# Altium PCB Copy of cam_5nd_v1.3.PcbDoc (part 2 of 2)
Units mil, origin at the board's own origin, x right, y up, seen from the top; angles counter-clockwise.
Board outline 3947.04 x 3947.04 mil, 2 copper layers (Top Layer, Bottom Layer); 197 components, 137 nets, 676 pads, 267 vias.
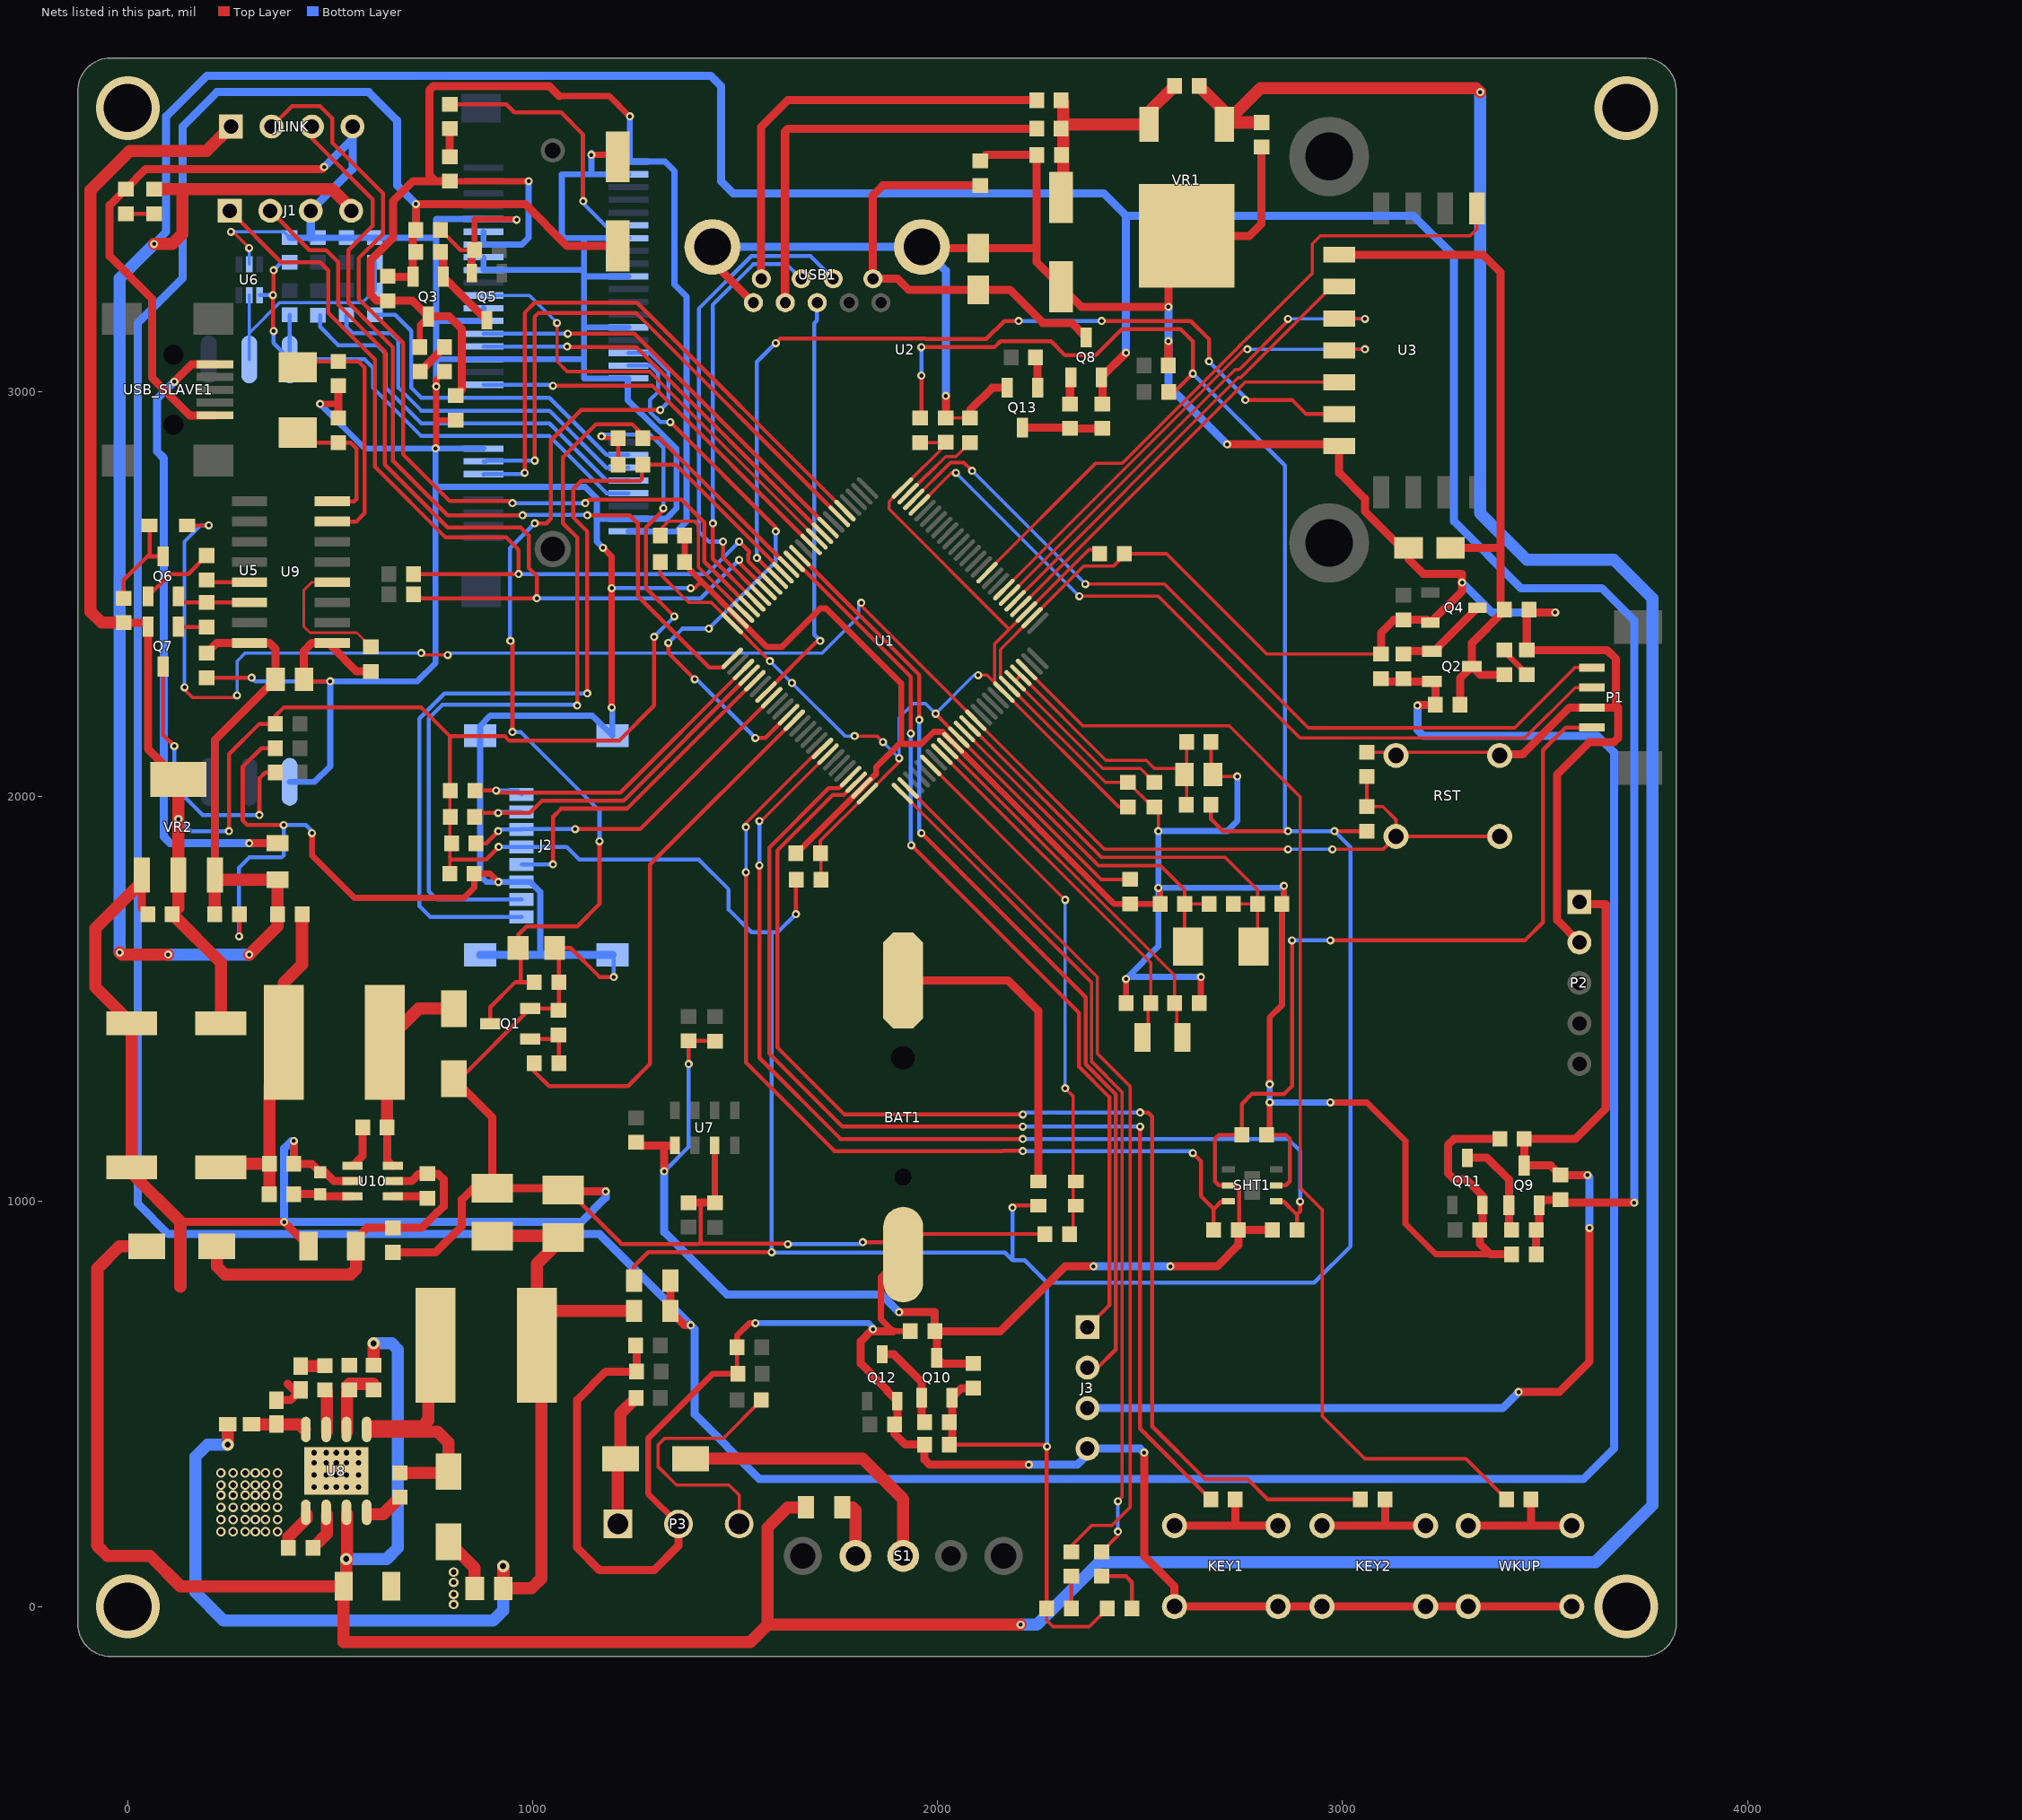
[diagram p2: the nets of this part, all layers, seen from the top]

## Via types
v1: diameter 20, hole 10, Top Layer to Bottom Layer, 199 vias
v2: diameter 23.62, hole 13.78, Top Layer to Bottom Layer, 60 vias
v3: diameter 30, hole 15, Top Layer to Bottom Layer, 4 vias
v4: diameter 157.48, hole 118.11, Top Layer to Bottom Layer, 4 vias

## Nets (pads, with @x,y where several pads share a name; then routed paths per layer and width w, separated by ;. In a path a pad name is that pad's centre, name@x,y a point inside that pad or via, vN(x,y) a via of type N, cw(c..) or ccw(c..) an arc to the next point about the centre after c; other vN are vias at no path point) (continued)
GND: BAT1.2 C1.2 C2.1 C3.1 C4.2 C5.1 C6.1 C7.2 C8.1 C9.1 C10.2 C11.2 C12.2 C13.2 C14.2 C15.2 C16.2 C17.2 C18.1 C19.2 C20.1 C21.2 C22.2 C23.2 C24.2 C25.1 C26.1 C28.1 C29.2 C30.1 C31.1 C32.2 C33.1 C34.1 C36.1 C37.2 C38.1 C40.1 C41.2 C42.2 C43.1 C44.2 C45.1 C46.1 C47.1 C48.1 C49.1 C50.1 C51.2 C54.1 C55.1 C56.1 C57.1 C58.1 C59.1 C60.2 C61.2 C62.2 D5.1 D8.1 D9.K D10.K D11.1 D14.K J1.3 J2.0 J2.6 J3.4 JLINK.4 KEY1.2 KEY2.2 P1.2 P2.2 P3.2 Q1.2 Q4.2 Q5.2 Q11.2 Q12.2 Q13.2 R4.2 R6.2 R21.2 R34.1 R35.1 R42.1 R43.1 R44.1 R47.2 R48.1 R52.2 R68.1 R69.1 R70.1 R72.1 R74.1 RST.1 SHT1.2 U1.10 U1.20 U1.27 U1.74 U1.99 U2.4 U2.9 U2.15 U2.18 U2.21 U2.26 U2.27 U2.29 U2.34 U2.35 U2.37 U2.40 U2.43 U2.50 U3.7 U5.4 U6.2 U7.3 U8.0 U8.5 U9.1 U10.2 USB1.5 USB1.10 USB_SLAVE1.5 VR1.2 VR2.1 WKUP.2 | length 37997
  Top Layer w8: v1(255,3395) 260,3395 v1(300,3355) ; BAT1.2@1915,869.06 1965.94,920 C7.2@2264.69,920 ; C12.2@2020,2935.63 2079.69,2935.63 C3.1@2080,2935.32 ; U1.20@2154.95,2295 2154.95,2300.82 2154.87,2300.9 2154.87,2363.64 U1.27@2233.3,2442.07 2361.23,2570 2435,2570 2460.32,2595.32 C11.2@2460.32,2610 ; U1.20@2177.62,2272.25 2414.24,2035.63 C10.2@2470,2035.63 2530.63,1975 C6.1@2535,1975 2545,1965 v1(2545,1915) ; C11.2@2460.63,2600 2565,2600 2812.8,2352.2 C28.1@3095,2352.2 ; C9.1@2675.32,2135 2675.32,2059.45 C8.1@2679.76,2055 2684.76,2050 v1(2740,2050) ; C4.2@2850.32,1735 C4.2@2855,1739.68 ; C2.1@3060,2110 3379.69,2110 RST.1@3387.8,2101.89
  Top Layer w10: C38.1@195,2294.05 v1(305.94,2294.05) ; v1(275,1655) 275.32,1655.32 C46.1@275.32,1710 ; R4.2@364.68,2120 330,2120 284,2074 284,1941 295,1930 v1(385,1930) ; C40.1@435.04,2290 440.04,2285 v1(500,2285) ; C33.1@771.89,3400 821.89,3350 R44.1@856.26,3350 ; D11.1@805,1303.39 820.57,1303.39 Q1.2@993.78,1476.6 1059.61,1476.6 1064.41,1481.4 C20.1@1064.41,1541.8 1064.41,1616.17 D5.1@1053.78,1626.8 1093.2,1626.8 1165,1555 v1(1200,1555) ; C32.2@1090,1025 1220,895 1410,895 1411,896 ; v1(1390,2515) 1400,2515 1416.89,2531.89 ; 1415,997.52 1415,960.04 1415.29,959.75 1415.29,914.03 1415,913.74 1415,900 1411,896 ; R72.1@1504.69,576.93 C59.1@1504.69,640 ; v1(1630,895) 1629,896 1411,896 ; v1(1815,900) 1884.06,900 BAT1.2@1915,869.06 ; C21.2@2820,1165 2860,1165 2870,1155 2870,1050 2860,1040 SHT1.2@2835.94,1040
  Top Layer w15: v1(455,1910) 455,1855 560,1750 830,1750 855.63,1775.63 C18.1@855.63,1810 895,1810 v1(915.55,1789.45) ; v1(475,2970) 516.5,2970 520,2973.5 ; v1(760,2860) 761.73,2861.73 761.73,2930 ; D10.K@782.52,3050 760,3027.48 761.73,3025.75 v1(761.73,3013.27) 761.73,2930 ; C36.1@810,2930 761.73,2930 ; R44.1@856.26,3350 856.26,3426.26 958.74,3426.26 v1(960,3425) ; v1(1145,3585) 1205.24,3585 C51.2@1210,3580.24 ; v1(1173.42,2615) 1195,2593.42 v1(1195,2515) v1(1195,2220) ; P3.2@1360,203.86 1285,278.86 1285,415 1445.04,575.04 R72.1@1506.57,575.04 ; C5.1@1375.31,2645 C13.2@1375.31,2580 1375.31,2573.46 1416.89,2531.89 U1.74@1506.7,2442.07 1578.77,2370 1615,2370 1710,2465 1725,2465 1910,2280 1910,2135 ; R35.1@1449.37,997.52 1449.61,997.76 U7.3@1449.61,1138.58 ; C59.1@1504.69,640 1504.69,669.69 1535,700 v1(1550,700) ; C14.2@1649.69,1860 1651.23,1860 U1.99@1812.93,2021.7 1848.4,2057.17 1848.4,2073.4 1910,2135 ; v1@1835,680 v1(1840,685) ; BAT1.2@1915,869.06 1860,814.06 1860,710 1890,680 C58.1@1932.48,680 ; v1(2465,1550) 2465.47,1549.53 C16.2@2465.47,1490 ; v1(2545,1775) 2549.37,1770.63 C1.2@2549.37,1735 C15.2@2475,1735 2436.48,1735 U1.10@2038.43,2133.06 2011.48,2160 1990,2160 1960,2130 1915,2130 1910,2135 ; C17.2@2646.1,1490 2650,1493.9 v1(2650,1555) ; C21.2@2820,1165 v1(2820,1245) ; v1(2820,1290) 2820,1455 2850.32,1485.32 C4.2@2850.32,1735 ; C4.2@2855,1739.68 v1(2855,1780) ; v1(2970,1245) 3060,1245 3155,1150 3155,945 3230,870 3365,870
  Top Layer w20: C42.2@9.76,1070.24 C42.2@9.76,1085 ; VR2.1@34.45,1789.45 34.45,1724.92 C45.1@49.37,1710 ; 130,950 v1(386.34,950) C49.1@446.34,890 ; USB_SLAVE1.5@215.47,2941.81 153.19,2941.81 60,3035 60,3230 -45,3335 -45,3460.63 D14.K@-5,3500.63 44.37,3550 480,3550 v1(485,3555) ; R42.1@366.89,510 401.89,510 R48.1@426.89,535 410,535 395,550 ; v1(410,1150) 410.32,1149.68 C43.1@410.32,1093.39 454.56,1093.39 R52.2@475.06,1072.89 487.11,1072.89 509.21,1050.79 U10.2@555,1050.79 ; C40.1@435.04,2290 435.04,2360.04 454.69,2379.68 U9.1@505,2379.68 505,2370 565.31,2309.68 C41.2@600,2309.68 ; C48.1@520,2935.32 520,2973.5 C47.1@520,3014.68 ; C50.1@655,874.69 759.69,874.69 825,940 825,1005 853.11,1033.11 C29.2@900,1033.11 ; D11.1@805,1303.39 900,1208.39 C29.2@900,1033.11 ; Q5.2@849.49,3293.07 849.49,3343.23 R44.1@856.26,3350 ; v1(1180,1025) 1090,1025 1079.06,1025 C32.2@1075,1029.05 1070.94,1033.11 C29.2@900,1033.11 ; C57.1@1254.69,645 1256.57,643.11 R70.1@1256.57,580.04 1180.04,580.04 1110,510 1110,145 1165,90 1300,90 1360,150 P3.2@1360,203.86 ; R34.1@1385,997.52 1415,997.52 R35.1@1449.37,997.52 ; USB1.10@1443.86,3357.8 1443.86,3321.18 USB1.5@1545.04,3220 ; R72.1@1504.69,576.93 R72.1@1506.57,575.04 ; 1890,680 1835,680 1810,655 1810,600 1875,535 1875,532.44 Q12.2@1900.51,506.93 1900.51,457.09 R69.1@1893.43,450 1893.43,426.57 1920,400 C55.1@1967.8,400 1967.8,362.8 1980.59,350 v1(2225,350) ; USB1.10@1960.87,3313.74 USB1.10@1973.7,3326.57 ; USB1.10@1961.18,3357.8 1963.98,3355 C22.2@2100,3355 2239.69,3355 ; C12.2@2020,2935.63 v1(2020,2990) ; C3.1@2080,2935.32 2080,2955 2135,3010 Q13.2@2172.09,3010 ; C23.2@2105,3570.32 2119.69,3585 C25.1@2244.69,3585 2244.69,3320.08 C24.2@2305,3259.76 2354.76,3210 v1(2570,3210) 2570,3340 VR1.2@2615,3385 2770,3385 2800,3415 C26.1@2800,3604.37 ; v1(2510,380) 2510,125 2585,50 KEY1.2@2585,0 KEY1.2@2840.91,0 KEY2.2@2949.09,0 KEY2.2@3205,0 WKUP.2@3310,0 WKUP.2@3565.91,0 ; R6.2@2570,3065 v1(2570,3125) ; v1(2715,2870) 2987.4,2870 U3.7@2991.34,2866.06 2991.34,2800 3055,2736.34 3055,2705 3145,2615 C19.2@3163.43,2615 3163.43,2586.57 3200,2550 3295,2550 v1(3295,2528.78) 3295,2507.56 Q4.2@3216.93,2429.49 3209.53,2436.89 R43.1@3150,2436.89 3126.89,2436.89 3095,2405 C28.1@3095,2352.2 ; RST.1@3387.8,2101.89 3390.91,2105 3445,2105 3560.39,2220.39 P1.2@3615.83,2220.39 3670.39,2220.39 ; C56.1@3388.11,1155 3275,1155 3260,1140 3260,1070 3275,1055 3305,1055 3345.51,1014.49 Q11.2@3345.51,991.93 3345.51,936.77 R68.1@3338.74,930 3338.74,896.26 3365,870 C54.1@3417.48,870 ; v1(3525,2455) 3456.57,2455 3455,2456.57 D9.K@3455,2362.2 3652.8,2362.2 3675,2340 3675,2225 3670.39,2220.39 ; P2.2@3585,1640 3530,1695 3530,2055 3610,2135 3670,2135 3680,2145 3680,2220.39 3670.39,2220.39
  Top Layer w30: C42.2@9.76,1070.24 130,950 130,790 ; C42.2@9.76,1085 C44.2@9.76,1440 -80,1529.76 -80,1675 34.45,1789.45 VR2.1@34.45,1806.89 ; R47.2@396.57,145 396.57,171.58 441.89,216.89 U8.5@441.89,227.64 ; D8.1@791.89,160 856.85,95.04 C31.1@856.85,60
  Bottom Layer w8: v1(255,3395) 385.31,3395 C62.2@400,3380.32 ; U6.2@300,3315 v1(300,3355)
  Bottom Layer w10: v1(275,1655) 275,1825 300,1850 380,1850 385,1855 v1(385,1930) 440,1930 455,1915 v1(455,1910) ; v1(305.94,2294.05) 315,2285 v1(500,2285) ; v1(1195,2515) v1(1390,2515) ; J2.0@1196.73,1609.33 1200,1606.06 v1(1200,1555) ; v1(1630,895) 1815,895 v1(1815,900)
  Bottom Layer w15: U5.4@400,2036.69 461.69,2036.69 500,2075 v1(500,2285) 715,2285 760,2330 760,2765 ; C62.2@400,3380.32 450,3380.32 C37.2@470,3380.32 C60.2@540,3380.32 C61.2@610,3380.32 756.42,3380.32 761.73,3375 ; v1(475,2970) 585,2860 v1(760,2860) ; v1(761.73,3013.27) 761.73,3081.73 ; U2.15@878.31,2859.8 878.11,2860 v1(760,2860) ; U2.29@878.31,3206.26 878.31,3175.24 878.07,3175 761.73,3175 ; U2.37@878.31,3332.25 U2.35@878.31,3300.75 1121.22,3300.75 1126.97,3295 ; v1(960,3425) 880.04,3425 U2.43@878.31,3426.73 761.73,3426.73 761.73,3375 ; 1015,1609.33 1018.55,1612.88 1018.55,1765 994.1,1789.45 J2.6@972.32,1789.45 v1(915.55,1789.45) 885.55,1789.45 869.95,1805.05 J2.0@869.95,2150.67 869.95,2174.95 895,2200 1147.4,2200 J2.0@1196.73,2150.67 1196.73,2218.27 v1(1195,2220) ; v1@1145,3590 v1(1145,3585) 1145,3536.97 ; 1160,2686.58 U2.4@1236.58,2686.58 1329.81,2686.58 1355,2711.77 1355,2860 1308.5,2906.5 1307.64,2906.5 1235,2979.14 1235,3031.46 U2.18@1236.58,3033.03 1126.97,3033.03 1126.97,3080 ; v1(1173.42,2615) 1158.5,2629.92 1158.5,2736.5 1129.68,2765.32 U2.9@878.31,2765.32 760.32,2765.32 760,2765 ; U2.26@1236.58,3159.02 1127.95,3159.02 1126.97,3160 ; U2.34@1236.58,3285 1126.97,3285 ; U2.40@1236.58,3379.49 1125,3379.49 ; U2.50@1236.58,3536.97 1145,3536.97 ; v1(1550,700) 1830,700 1840,690 v1(1840,685) ; v1(2465,1550) v1@2470,1555 ; v1(2650,1555) v1@2470,1555 ; v1(2740,2050) 2740,1940 2715,1915 v1(2545,1915) v1(2545,1775) ; v1(2820,1290) v1(2820,1245) v1(2970,1245) ; v1(2855,1780) 2850,1775 v1(2545,1775) ; 760,2765 v1(760,2860) ; 761.73,3081.73 761.73,3175 ; 761.73,3081.73 763.19,3080.28 U2.21@878.31,3080.28 1126.69,3080.28 1126.97,3080 ; 761.73,3175 761.73,3375 ; 1125,3379.49 1080,3379.49 1071.97,3387.52 1071.97,3536.97 1145,3536.97 ; 1125,3379.49 1126.97,3377.52 1126.97,3295 ; 1126.97,3080 1126.97,3160 ; 1126.97,3160 1126.97,3285 ; 1126.97,3285 1126.97,3295 ; v1@2470,1555 2545,1630 v1(2545,1775)
  Bottom Layer w20: v1(410,1150) 405,1150 386.34,1131.34 v1(386.34,950) 1120,950 1180,1010 v1(1180,1025) ; 450,3380.32 451.89,3382.2 J1.3@451.89,3446.89 555,3550 555,3625 ; v1(485,3555) 555,3625 ; JLINK.4@555,3655 555,3625 ; J2.0@869.95,1609.33 1015,1609.33 J2.0@1196.73,1609.33 ; USB1.10@1443.86,3357.8 USB1.10@1961.18,3357.8 2020,3298.98 v1(2020,2990) ; v1(2225,350) 2345,350 2370,375 J3.4@2370,390 2500,390 v1(2510,380) ; v1(2570,3210) v1(2570,3125) 2570,3015 v1(2715,2870) ; v1(3295,2528.78) 3368.78,2455 v1(3525,2455)
  other v2: 805,5 805,30 805,60 805,85 230,185 260,185 290,185 315,185 340,185 370,185 230,215 260,215 290,215 315,215 340,215 370,215 230,245 260,245 290,245 315,245 340,245 370,245 230,275 260,275 290,275 315,275 340,275 370,275 460,295 490,295 515,295 540,295 570,295 230,300 260,300 290,300 315,300 340,300 370,300 460,325 490,325 515,325 540,325 570,325 230,330 260,330 290,330 315,330 340,330 370,330 460,355 490,355 515,355 540,355 570,355 460,380 490,380 515,380 540,380 570,380
  other v4: 0,0 3700.79,0 0,3700.79 3700.79,3700.79
KEY1: R16.1 U1.97 | length 2765
  Top Layer w10: U1.97@1785.09,2049.54 1756.5,2020.95 1730.95,2020.95 1584,1874 1584,1366 1765,1185 v1(2210,1185) ; v1(2500,1185) 2500,439.37 R16.1@2674.37,265
  Bottom Layer w10: v1(2210,1185) v1(2500,1185)
KEY2: R17.1 U1.98 | length 3106.1
  Top Layer w10: U1.98@1799.01,2035.62 1768.34,2004.95 1741.48,2004.95 1603.92,1867.39 1603.92,1381.08 1770,1215 v1(2210,1215) ; v1(2500,1220) 2520,1220 2530,1210 2530,445 2660,315 2765,315 2815,265 R17.1@3044.37,265
  Bottom Layer w10: v1(2210,1215) 2215,1220 v1(2500,1220)
KEY_WKUP: R14.1 U1.23 | length 2898.1
  Top Layer w8: U1.23@2219.38,2314.01 2358.39,2175 2720,2175 2895,2000 2895,1035 2950,980 2950,470 3055,365 3304.69,365 R14.1@3404.69,265
L_RXD: J1.2 R58.2 U1.69 | length 2312.2
  Top Layer w10: J1.2@351.89,3446.89 448.78,3350 490,3350 520,3320 520,3215 635,3100 635,2820 790,2665 970,2665 990,2645 990,2565 1010,2545 v1(1010,2490) 725.32,2490 710.32,2505 R58.2@705.32,2500 ; v1(1510,2585) 1510,2577.97 U1.69@1576.3,2511.67
  Bottom Layer w10: v1(1010,2490) 1415,2490 v1(1510,2585)
L_TXD: J1.1 R56.2 U1.68 | length 2315
  Top Layer w10: J1.1@251.89,3446.89 378.78,3320 475,3320 495,3300 495,3195 610,3080 610,2815 785,2640 935,2640 965,2610 v1(965,2550) R56.2@705.32,2550 ; v1(1510,2630) 1535,2605 1535,2601.05 1532.64,2598.7 1532.64,2581.3 1588.36,2525.59 U1.68@1590.22,2525.59
  Bottom Layer w10: v1(965,2550) 1430,2550 v1(1510,2630)
LED1: R8.1 U1.1 | length 2117.6
  Top Layer w8: U1.1@1913.15,2007.78 1941.03,1979.9 2380.47,1540.47 2380.47,1345.47 2455,1270.93 2455,270 v1(2445,260) ; R8.1@2405,135.31 2445,175.31 v1(2445,185.16)
  Bottom Layer w8: v1(2445,185.16) v1(2445,260)
LED2: R9.1 U1.2 | length 2202.7
  Top Layer w8: U1.2@1927.07,2021.7 2394.39,1554.39 2394.39,1546.35 2394.47,1546.27 2394.47,1365.53 2475,1285 2475,245 2430,200 2380,200 2330,150 R9.1@2330,135.31
LED_WWAN: D6.K U2.42 | length 675.8
  Top Layer w10: D6.K@795,3710.31 795.31,3710 935,3710 955,3690 1070,3690 1124,3636 1124,3466 1125,3467 v1(1125,3471)
  Bottom Layer w10: v1(1125,3471) 1125,3465.3 1180.3,3410 1235.59,3410 U2.42@1236.58,3410.99
M_SCL: P1.3 U1.47 | length 2016.8
  Top Layer w8: U1.47@1954.91,2720.46 2034.45,2800 v1(2045,2800) ; v1(2350,2495) 2545,2495 2895,2145 3450,2145 3574.61,2269.61 P1.3@3615.83,2269.61
  Bottom Layer w8: v1(2045,2800) v1(2350,2495)
M_SDA: P1.4 U1.48 | length 2045.3
  Top Layer w8: U1.48@1940.99,2734.38 2031.61,2825 2065,2825 v1(2085,2805) ; v1(2365,2525) 2560,2525 2915,2170 3425,2170 3573.82,2318.82 P1.4@3615.83,2318.82
  Bottom Layer w8: v1(2085,2805) v1(2365,2525)
NetBAT1_1: BAT1.1 D2.1 | length 786
  Top Layer w20: BAT1.1@1915,1546.22 2173.78,1546.22 2248.54,1471.46 D2.1@2248.54,1050
NetC1_1: C1.1 R2.2 U1.12 Y1.2 | length 930.4
  Top Layer w8: U1.12@2066.26,2160.9 2397.16,1830 2550,1830 2610,1770 C1.1@2610,1735 ; Y1.2@2618.58,1630 2610,1638.58 C1.1@2610,1735 ; R2.2@2685,1720 R2.2@2670,1735 C1.1@2610,1735
NetC3_2: C3.2 U1.49 | length 205.3
  Top Layer w8: U1.49@1927.07,2748.3 1975,2796.23 1976.23,2796.23 2020,2840 2045.31,2840 C3.2@2080,2874.68
NetC4_1: C4.1 R2.1 U1.13 Y1.1 | length 1080.4
  Top Layer w8: U1.13@2080.18,2174.82 2405,1850 2710,1850 2789.69,1770.32 C4.1@2789.69,1735 ; R2.1@2730.63,1735 C4.1@2789.69,1735 ; Y1.1@2780,1630 2789.69,1639.68 C4.1@2789.69,1735
NetC5_2: C5.2 U1.73 | length 382.4
  Top Layer w8: C5.2@1314.69,2645 1314.69,2659.68 1335,2680 1400,2680 1409,2671 1409,2567.61 U1.73@1520.62,2455.99
NetC16_1: C16.1 U1.8 Y2.2 | length 924.2
  Top Layer w8: U1.8@2010.59,2105.22 2526.1,1589.7 C16.1@2526.1,1490 ; Y2.2@2505.79,1405 2520,1419.21 2520,1478.9 C16.1@2531.1,1490
NetC17_1: C17.1 U1.9 Y2.1 | length 952.2
  Top Layer w8: U1.9@2024.51,2119.14 2585,1558.64 2585,1490.47 C17.1@2585.47,1490 ; C17.1@2590.47,1490 2590.47,1418.74 Y2.1@2604.21,1405
NetC27_1: C27.1 U8.8 | length 92.4
  Top Layer w30: U8.8@596.89,227.64 629.84,227.64 C27.1@671.89,269.69
NetC27_2: C27.2 D8.2 L1.2 U8.1 | length 748.7
  Top Layer w30: C27.2@671.89,330.31 788.98,330.31 D8.2@791.89,333.23 791.89,405 764.53,432.36 596.89,432.36 596.89,437.36 604.53,445 726.89,445 741.89,460 L1.2@741.89,650
NetC29_1: C29.1 C31.2 C32.1 F1.1 L1.1 R36.2 | length 2859.9
  Top Layer w30: v3(246.89,400) R36.2@246.89,450 ; C29.1@900,915 1070.94,915 C32.1@1075,910.94 1010,845.94 L1.1@1010,735 ; C31.2@926.93,45 C31.2@926.93,60 ; v3(926.93,99.96) C31.2@926.93,60 ; L1.1@1010,645 L1.1@1010,735 ; L1.1@1021.89,665 1021.89,70 996.89,45 941.93,45 C31.2@926.93,60 ; F1.1@1250,730 1015,730 L1.1@1010,735
  Bottom Layer w30: v3(246.89,400) 196.89,400 166.89,370 166.89,35 236.89,-35 901.89,-35 926.93,-9.96 v3(926.93,99.96)
NetC35_1: C35.1 R48.2 | length 60.5
  Top Layer w30: R48.2@426.89,594.06 485.63,594.06 C35.1@486.89,595.31
NetC35_2: C35.2 U8.3 | length 104.4
  Top Layer w30: C35.2@486.89,534.69 491.89,529.69 U8.3@491.89,432.36
NetC39_1: C39.1 U10.1 | length 105.6
  Top Layer w20: U10.1@555,1088.19 580,1113.19 C39.1@580,1183.39
NetC39_2: C39.2 D11.2 L2.2 U10.6 | length 518
  Top Layer w20: L2.2@635,1393.39 640.63,1387.76 L2.2@640.63,1320 ; C39.2@640.63,1183.39 640.63,1102.56 U10.6@655,1088.19
  Top Layer w30: L2.2@635,1393.39 718.23,1476.61 D11.2@805,1476.61 ; C39.2@640.63,1183.39 L2.2@640.63,1320
NetC41_1: C41.1 U9.4 | length 353.7
  Top Layer w6.5: U9.4@505,2529.68 454.69,2529.68 435,2510 435,2420 450,2405 565.31,2405 C41.1@600,2370.32
NetC47_2: C47.2 U9.7 Y3.1 | length 625.8
  Top Layer w10: Y3.1@420,3060.71 434.61,3075.32 C47.2@520,3075.32 569.69,3075.32 585,3060 585,2700 564.69,2679.68 U9.7@505,2679.68
NetC48_2: C48.2 U9.8 Y3.2 | length 348.5
  Top Layer w10: Y3.2@420,2899.29 444.61,2874.68 C48.2@520,2874.68 550.31,2874.68 565,2860 565,2735 559.69,2729.68 U9.8@505,2729.68
NetC49_2: C49.2 C50.2 D13.2 R53.1 U10.5 | length 937.1
  Top Layer w20: C49.2@563.66,890 563.66,908.66 590.31,935.31 C50.2@655,935.31 725.31,935.31 764.08,974.08 765.92,974.08 780,988.16 780,1055 765.98,1069.02 R53.1@740,1069.02 719.02,1069.02 700.79,1050.79 U10.5@655,1050.79
  Top Layer w30: D13.2@220,890 220,840 240,820 550,820 563.66,833.66 C49.2@563.66,890
NetD3_K: D3.K R8.2 | length 146.1
  Top Layer w10: R8.2@2405,74.68 2465.32,74.68 2480,60 D3.K@2480,-5
NetD4_K: D4.K R9.2 | length 79.8
  Top Layer w10: R9.2@2330,74.68 2330.31,74.37 D4.K@2330.31,-5
NetD6_A: D6.A R19.1 | length 69.1
  Top Layer w20: R19.1@795,3580.63 D6.A@795,3649.68
NetD7_2: D7.2 S1.2 | length 706.4
  Top Layer w30: D7.2@1390,365 1815,365 1915,265 S1.2@1915,125
NetD9_A: D9.A R45.2 | length 83.1
  Top Layer w15: R45.2@3400,2361.89 3400,2357.95 3455,2302.95 D9.A@3455,2301.57
NetD10_A: D10.A R46.2 | length 84.9
  Top Layer w20: D10.A@721.89,3050 R46.2@781.89,3110
NetD12_2: D12.2 Q6.3 R49.1 | length 245.2
  Top Layer w10: R49.1@-10,2490.31 -10,2535 48.43,2593.43 ; D12.2@53.54,2670 53.54,2598.54 48.43,2593.43 ; Q6.3@87.6,2593.43 48.43,2593.43
NetD14_A: D14.A R59.2 | length 70
  Top Layer w10: D14.A@-5,3440 R59.2@65,3440
NetF2_1: F2.1 S1.3 | length 147.9
  Top Layer w30: F2.1@1765,245 1790,245 1796.89,238.11 S1.3@1796.89,125
NetKEY1_1: KEY1.1 R16.2 | length 323
  Top Layer w20: KEY1.1@2585,200 2740,200 ; R16.2@2735,265 2735,205 2740,200 ; KEY1.1@2840.91,200 2740,200
NetKEY2_1: KEY2.1 R17.2 | length 323
  Top Layer w20: KEY2.1@2949.09,200 3100,200 ; R17.2@3105,265 3105,205 3100,200 ; KEY2.1@3205,200 3100,200
NetQ1_1: Q1.1 R20.2 R21.1 | length 144.4
  Top Layer w10: Q1.1@993.78,1401.8 1053.78,1401.8 R21.1@1063.78,1411.8 1064.41,1411.17 R20.2@1064.41,1341.8
NetQ2_1: Q2.1 Q4.3 R37.1 | length 230.7
  Top Layer w20: R37.1@3150,2351.89 3157.4,2359.29 Q2.1@3220.79,2359.29 3225.47,2359.29 Q4.3@3333.07,2466.89
NetQ3_1: Q3.1 Q5.3 R38.1 | length 215.9